# Altium PCB CL-HC-M-V2.1gerber.PcbDoc (part 1 of 16) (continued)
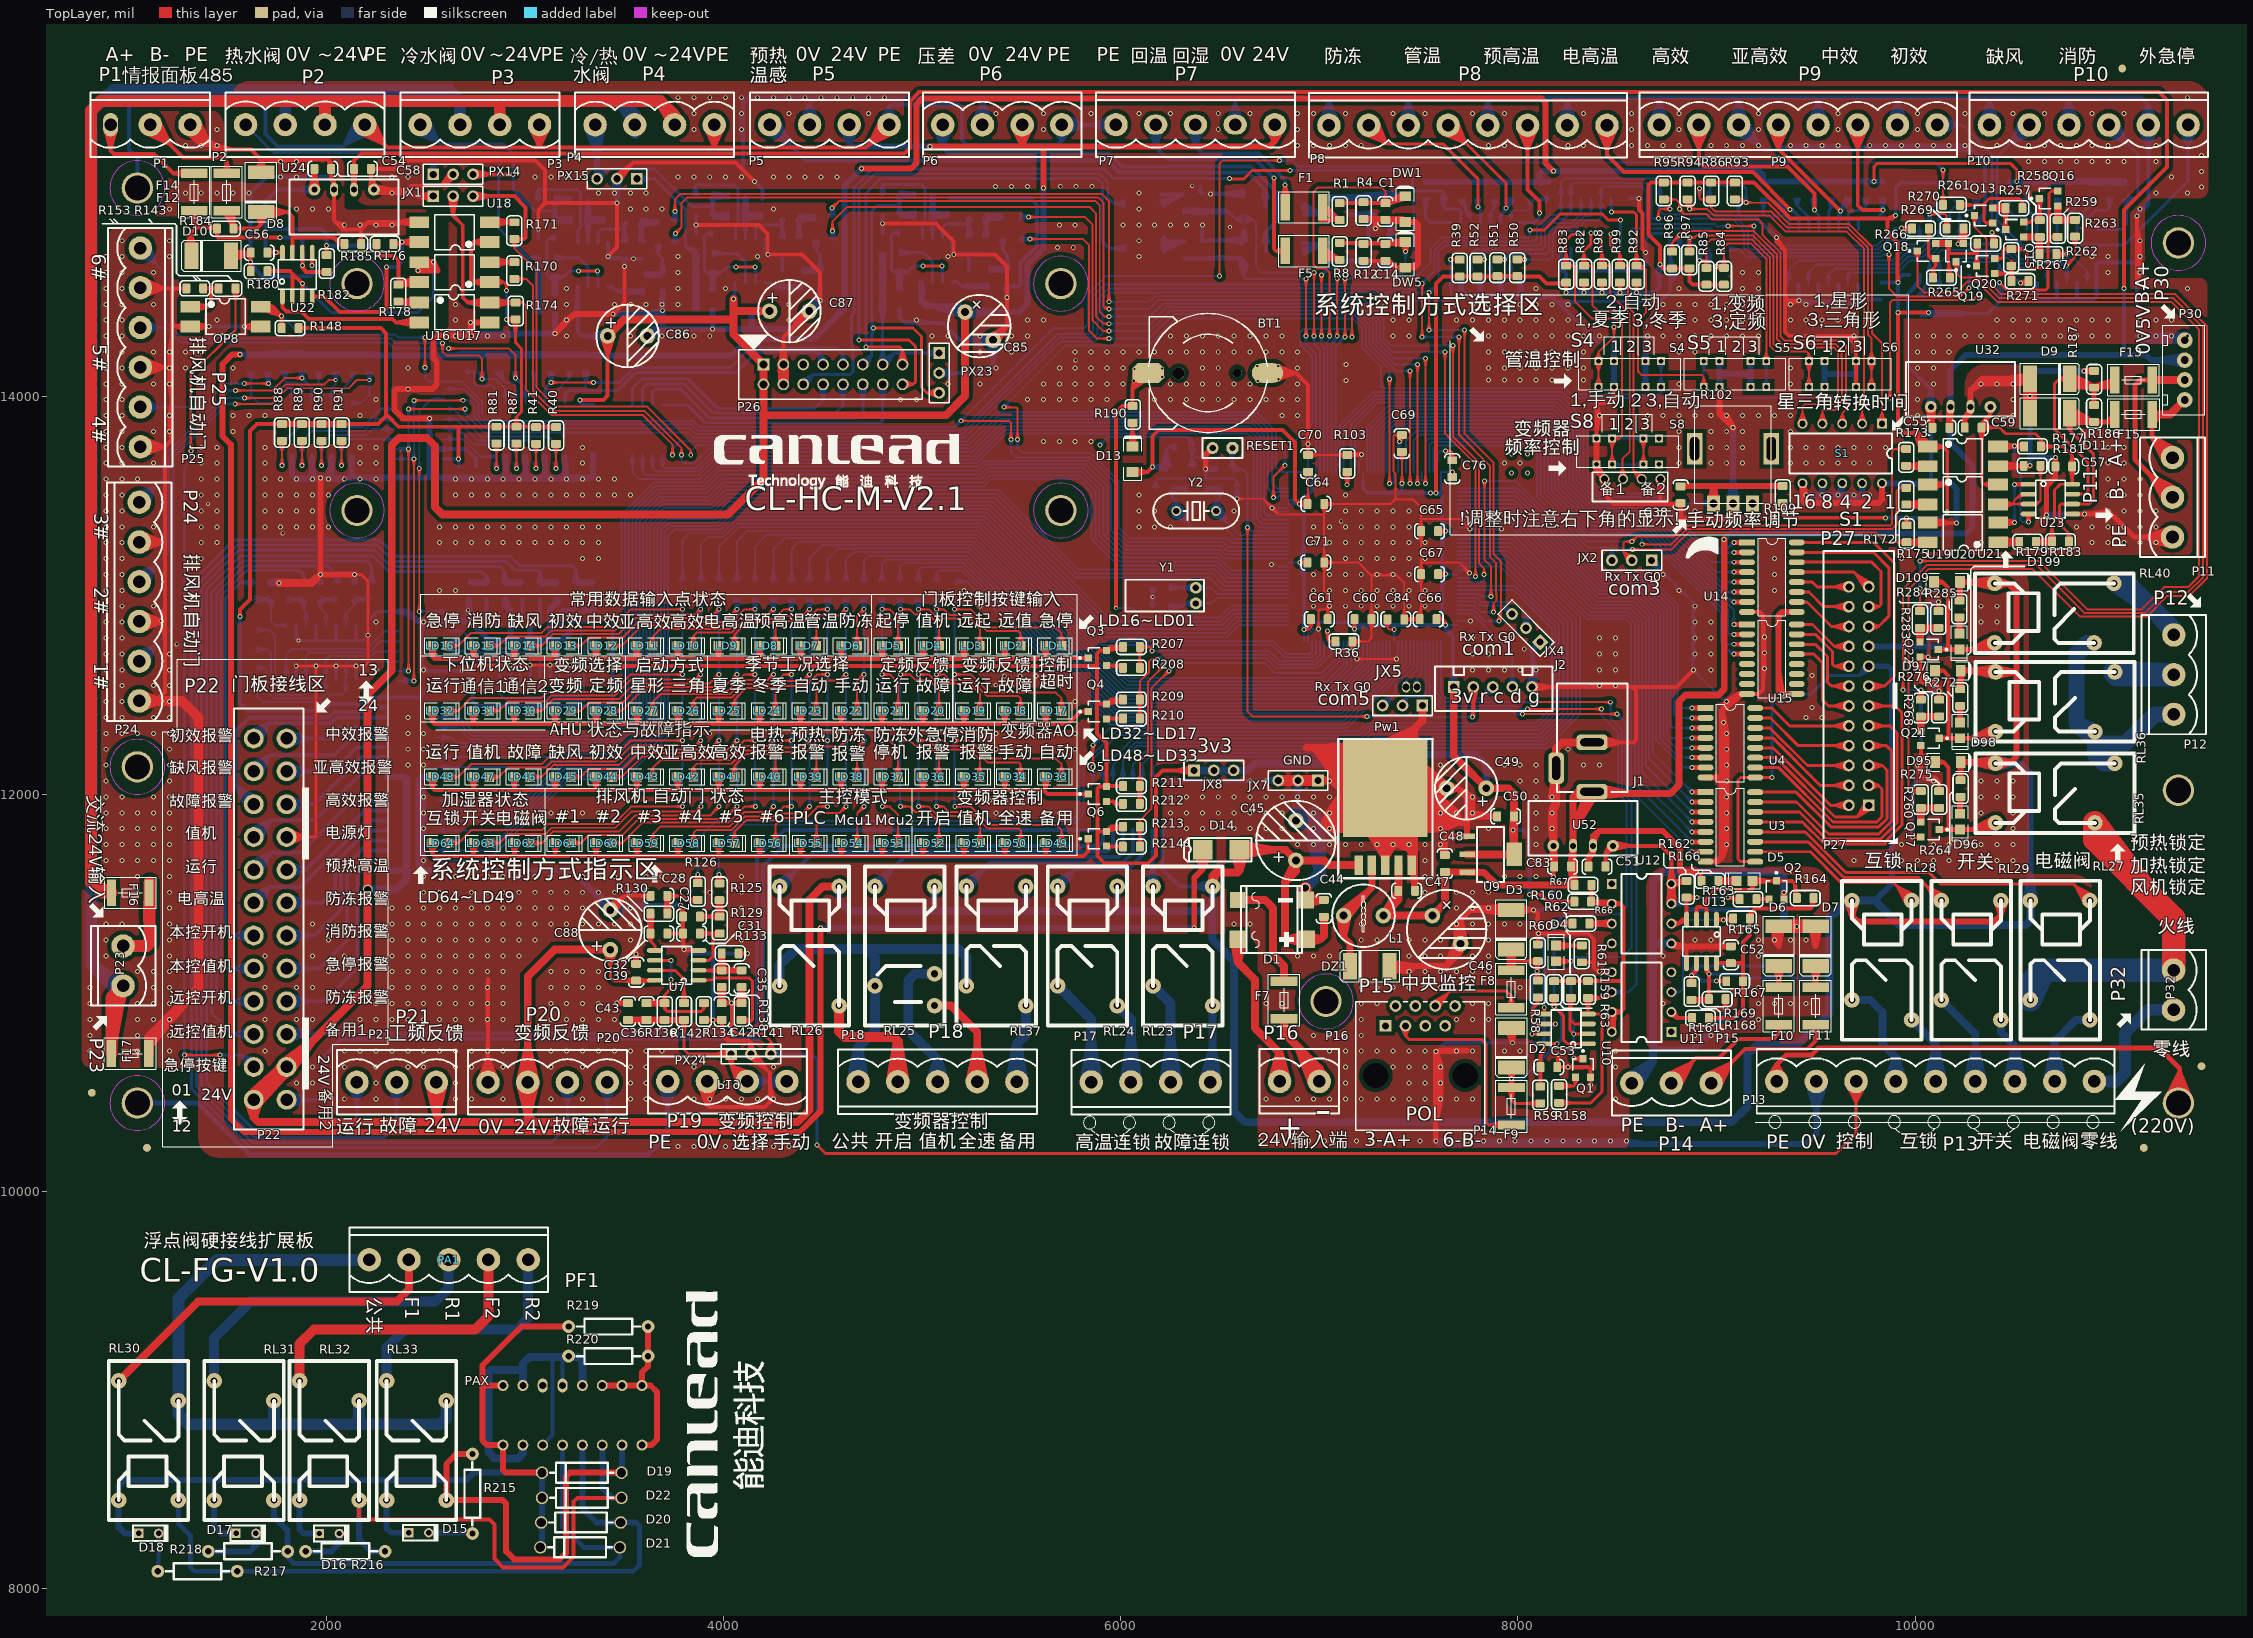
[diagram p0: TopLayer view]
## Components (designator, comment, footprint, x,y, rotation, side; value= is the part's Value field where it differs from the comment) (continued)
P9 "DI-2" PL8X 9410.72,15369.03 r0 top (schematic designator P5)
P10 "DI-1" PL6X 10873.71,15369.03 r0 top (schematic designator P9)
P11 "" PL3X#2 11295.27,13694.56 r270 top (schematic designator 485-2)
P12 "Header 3" PL3X#2 11302.26,12801.51 r270 top locked (schematic designator P25)
P13 "Header 9" PL9X 10102.22,10553.66 r0 top (schematic designator 加湿器1)
P14 "Header 4X2" RH45 7508.69,10758.66 r0 top
P15 "Header 3" PL3X#2 8572.38,10545.64 r0 top
P16 "power" PL2X 6899.97,10553.66 r0 top (schematic designator 24V)
P17 "硬接线" PL4X 6151.71,10550.41 r180 top (schematic designator 电柜内部1)
P18 "硬接线" PL5X#2 5077.86,10551.66 r180 top (schematic designator 变频1)
P19 "硬接线" PL4X 4019.56,10553.66 r0 top (schematic designator 变频2)
P20 "变频反馈" PL4X 3114.81,10549.2 r180 top (schematic designator 变频3)
P21 "工频反馈" PL3X#2 2154.81,10549.2 r0 top (schematic designator 电柜内部2)
P22 "硬接线" ATX_24PIN 1635.3,12280.18 r270 top (schematic designator 门控指示灯1)
P23 "硬接线" PL2X 977.49,11135.5 r90 top
P24 "自动门" PL6X 1058.64,12969.2 r90 top (schematic designator P14)
P25 "自动门" PL6X 1064.81,14249.2 r90 top (schematic designator P17)
P26 "Header 8X2" Con2*8-1mm 4201.86,14163.1 r0 top
P27 "Con2*12-1mm" FC24LX 9716.03,12493.88 r90 top
P30 "硬接线" C3-4 11356.69,14134.99 r90 top (schematic designator 220V)
P32 "硬接线" PL2X 11300.57,11014.37 r90 top
PA1 "情报面板与电柜输入" pl5x 2616.94,9655.49 r0 top (schematic designator 外?)
PAX "Header 8X2" centipede-16 3240.14,8872.79 r90 bottom (schematic designator P19)
Pw1 "LM2596-5V" LM2575 7331.74,11835.34 r0 top
PX14 "Header 3" HDR1X3 2539.14,15120.55 r0 top
PX15 "Header 3" HDR1X3 3564.16,15098.22 r180 top
PX23 "Header 3" HDR1X3 5086.21,14220.32 r270 top
PX24 "Header 3" HDR1X3 4038.92,10691.76 r0 top
Q1 "NPN" SOT23 8327.38,10621.06 r0 top
Q2 "NPN" SOT23 9301.04,11517.4 r0 top
Q3 "PNP" SOT23 5882.39,12685.45 r90 top
Q4 "PNP" SOT23 5882.39,12415.45 r90 top
Q5 "PNP" SOT23 5882.39,12000.45 r90 top
Q6 "PNP" SOT23 5882.39,11775.45 r90 top
Q13 "PNP" SOT23 10344.86,14912.6 r90 top (schematic designator Q15)
Q15 "PNP" SOT23 10501.2,14841.87 r90 top
Q16 "PNP" SOT23 10671.12,14998.51 r90 top
Q17 "NPN" SOT23 10074.39,11821.36 r270 top
Q18 "PNP" SOT23 10056.87,14734.56 r90 top
Q19 "PNP" SOT23 10205.39,14725.87 r180 top
Q20 "PNP" SOT23 10354.66,14659.43 r90 top
Q21 "NPN" SOT23 10074.39,12281.37 r270 top
Q22 "NPN" SOT23 10070.34,12727.82 r270 top
R1 "20.5K" 0805R#1 7102.76,14975.04 r270 top
R2 "20.5K" 0805R#1 6321.73,14697 r90 bottom
R3 "20.5K" 0805R#1 7053.81,15002.19 r270 bottom
R4 "10K" 0805R#1 7222.76,14895.04 r90 top
R5 "10K" 0805R#1 6410.11,14782 r270 bottom
R6 "10K" 0805R#1 7149.13,14917.19 r90 bottom
R7 "20.5K" 0805R#1 7028.04,14684.21 r90 bottom
R8 "20.5K" 0805R#1 7102.76,14775.04 r270 top
R9 "20.5K" 0805R#1 6313.23,14934.91 r90 bottom
R10 "10K" 0805R#1 10978.86,15083.5 r270 bottom
R11 "10K" 0805R#1 7138.04,14774.21 r270 bottom
R12 "10K" 0805R#1 7222.76,14685.04 r90 top
R13 "10K" 0805R#1 6401.61,15017.82 r270 bottom
R14 "10K" 0805R#1 11063.86,15083.5 r270 bottom
R15 "10K" 0805R#1 7535.63,15083.78 r270 bottom
R16 "10K" 0805R#1 3222.38,14213.36 r270 bottom
R17 "10K" 0805R#1 3047.38,14213.36 r270 bottom
R18 "10K" 0805R#1 10804.71,15083.5 r270 bottom
R19 "10K" 0805R#1 10893.86,15083.5 r270 bottom
R20 "10K" 0805R#1 10633.86,15083.5 r270 bottom
R21 "10K" 0805R#1 10718.86,15083.5 r270 bottom
R22 "10K" 0805R#1 10466.61,15080.04 r270 bottom
R23 "10K" 0805R#1 10549.71,15083.5 r270 bottom
R24 "10K" 0805R#1 9749.84,15083.5 r270 bottom
R25 "10K" 0805R#1 9834.84,15083.5 r270 bottom
R26 "10K" 0805R#1 9575.69,15083.5 r270 bottom
R27 "10K" 0805R#1 9664.84,15083.5 r270 bottom
R28 "10K" 0805R#1 9404.84,15083.5 r270 bottom
R29 "10K" 0805R#1 9489.84,15083.5 r270 bottom
R30 "10K" 0805R#1 9234.84,15083.5 r270 bottom
R31 "10K" 0805R#1 9320.69,15083.5 r270 bottom
R32 "10K" 0805R#1 8062.81,15080.95 r270 bottom
R33 "10K" 0805R#1 8152.81,15080.95 r270 bottom
R34 "10K" 0805R#1 7882.81,15080.95 r270 bottom
R35 "10K" 0805R#1 7972.81,15080.95 r270 bottom
R36 "0R" 0805R#1 7166.44,12768.25 r180 top
R37 "10K" 0805R#1 7712.81,15080.95 r270 bottom
R38 "10K" 0805R#1 7797.81,15080.95 r270 bottom
R39 "10K" 0805R#1 7706.97,14690.85 r270 top
R40 "10K" 0805R#1 3157.38,13762.95 r90 top
R41 "10K" 0805R#1 3057.38,13762.95 r90 top
R42 "10K" 0805R#1 10021.99,14504.06 r270 bottom
R43 "10K" 0805R#1 10110.9,14504.55 r270 bottom
R44 "10K" 0805R#1 10198.82,14504.06 r270 bottom
R45 "10K" 0805R#1 10426.02,14626.55 r270 bottom
R46 "10K" 0805R#1 10306.61,14995.04 r90 bottom
R47 "10K" 0805R#1 10211.61,14995.04 r90 bottom
R48 "10K" 0805R#1 10111.61,14995.04 r90 bottom
R49 "10K" 0805R#1 10016.61,14995.04 r90 bottom
R50 "10K" 0805R#1 7996.53,14692.61 r270 top
R51 "10K" 0805R#1 7896.53,14692.61 r270 top
R52 "10K" 0805R#1 7796.53,14691.5 r270 top
R53 "10K" 0805R#1 2697.38,14213.36 r270 bottom
R54 "10K" 0805R#1 2782.38,14213.36 r270 bottom
R55 "10K" 0805R#1 2867.38,14213.36 r270 bottom
R56 "10K" 0805R#1 2957.38,14213.36 r270 bottom
R57 "10K" 0805R#1 1622.38,14213.36 r270 bottom
R58 "10K?" 0805R#1 8099.85,11061.48 r270 top
R59 "3K" 0805R#1 8112.38,10528.36 r270 top
R60 "3K" 0805R#1 8099.85,11243.83 r270 top
R61 "1K" 0805R#1 8321.76,11238.69 r270 top
R62 "1K" 0805R#1 8267.38,11058.36 r270 top
R63 "3K" 0805R#1 8182.38,11058.15 r270 top
R64 "10K" 0805R#1 1707.38,14213.36 r270 bottom
R65 "10K" 0805R#1 1792.38,14214.57 r270 bottom
R66 "0R" 0805R#2 8326.08,11459.06 r0 top
R67 "0R" 0805R#2 8328.05,11542.58 r0 top
R68 "10K" 0805R#1 3257.76,13065.04 r270 bottom
R69 "10K" 0805R#1 3077.76,13065.04 r270 bottom
R70 "10K" 0805R#1 2987.76,13065.04 r270 bottom
R71 "10K" 0805R#1 2807.76,13065.04 r270 bottom
R72 "10K" 0805R#1 1877.38,14214.57 r270 bottom
R73 "10K" 0805R#1 1962.38,14213.36 r270 bottom
R74 "10K" 0805R#1 2047.38,14213.36 r270 bottom
R75 "10K" 0805R#1 3355.43,12864.42 r0 bottom
R76 "10K" 0805R#1 3355.43,12771.07 r0 bottom
R77 "10K" 0805R#1 3355.43,12677.73 r0 bottom
R78 "10K" 0805R#1 3355.43,12584.39 r0 bottom
R79 "10K" 0805R#1 2132.38,14213.36 r270 bottom
R80 "10K" 0805R#1 2217.38,14213.36 r270 bottom
R81 "10K" 0805R#1 2857.38,13764.63 r90 top (schematic designator R24)
R82 "10K" 0805R#1 8332.76,14660.04 r270 top
R83 "10K" 0805R#1 8242.76,14575.04 r90 top
R84 "10K" 0805R#1 9037.16,14564.72 r90 top
R85 "10K" 0805R#1 8949.03,14564.72 r90 top
R86 "10K" 0805R#1 8972.9,15079.42 r270 top
R87 "10K" 0805R#1 2957.38,13764.63 r90 top
R88 "10K" 0805R#1 1777.76,13778.36 r90 top
R89 "10K" 0805R#1 1877.38,13778.36 r90 top
R90 "10K" 0805R#1 1977.38,13778.36 r90 top
R91 "10K" 0805R#1 2077.38,13778.36 r90 top
R92 "10K" 0805R#1 8597.76,14575.04 r90 top
R93 "10K" 0805R#1 9092.15,14994.52 r90 top
R94 "10K" 0805R#1 8853.64,14994.52 r90 top
R95 "10K" 0805R#1 8734.38,14994.52 r90 top
R96 "10K" 0805R#1 8775.9,14732.19 r270 top
R97 "10K" 0805R#1 8862.78,14732.19 r270 top
R98 "10K" 0805R#1 8422.76,14575.04 r90 top
R99 "10K" 0805R#1 8512.76,14575.04 r90 top
R100 "104" 0805R#1 3755.56,14878.96 r180 bottom
R101 "104" 0805R#1 3757.13,14769.55 r180 bottom
R102 "10K可调" RES_ADJ 9082.56,13463.49 r0 top
R103 "0R" 0805R#1 7140.49,13707.58 r270 top
R104 "104" 0805R#1 4547.57,14901.22 r180 bottom
R105 "104" 0805R#1 4550.54,14790.41 r180 bottom
R106 "104" 0805R#1 3587.74,14880.36 r180 bottom
R107 "104" 0805R#1 3602.74,14616.21 r270 bottom
R108 "104" 0805R#1 4381.15,14901.22 r180 bottom
R109 "10K" 0805R#1 9332.63,13466.17 r90 top
R110 "104" 0805R#1 4396.15,14637.07 r270 bottom
R111 "103" 0805R#1 3402.74,14975.36 r270 bottom
R112 "103" 0805R#1 3067.74,14800.36 r0 bottom
R113 "103" 0805R#1 4196.15,14996.22 r270 bottom
R114 "103" 0805R#1 3861.15,14821.22 r0 bottom
R115 "20.5K" 0805R#1 3152.74,14603.1 r180 bottom
R116 "20.5K" 0805R#1 3946.15,14623.96 r180 bottom
R117 "20.5K" 0805R#1 3317.74,14890.36 r180 bottom
R118 "20.5K" 0805R#1 4111.15,14911.22 r180 bottom
R119 "100" 0805R#1 3067.74,14990.36 r0 bottom
R120 "100" 0805R#1 3152.74,14700.17 r180 bottom
R121 "100" 0805R#1 3861.15,15011.22 r0 bottom
R122 "100" 0805R#1 3946.15,14721.03 r180 bottom
R123 "104" 0805R#1 5488.28,14905.93 r180 bottom
R124 "104" 0805R#1 5491.25,14795.12 r180 bottom
R125 "104" 0805R#1 3980.25,11550.95 r270 top
R126 "104" 0805R#1 3870.84,11552.52 r270 top
R127 "104" 0805R#1 5321.86,14905.93 r180 bottom
R128 "104" 0805R#1 5336.86,14641.78 r270 bottom
R129 "104" 0805R#1 3981.65,11383.14 r270 top
R130 "104" 0805R#1 3717.5,11398.14 r180 top
R131 "103" 0805R#1 5136.86,15000.93 r270 bottom
R132 "103" 0805R#1 4801.86,14825.93 r0 bottom
R133 "103" 0805R#1 4076.65,11198.14 r180 top
R134 "103" 0805R#1 3901.65,10863.14 r90 top
R135 "20.5K" 0805R#1 4886.86,14628.67 r180 bottom
R136 "20.5K" 0805R#1 3704.39,10948.14 r270 top
R137 "20.5K" 0805R#1 5051.86,14915.93 r180 bottom
R138 "20.5K" 0805R#1 3991.65,11113.14 r270 top
R139 "100" 0805R#1 4801.86,15015.93 r0 bottom
R140 "100" 0805R#1 4886.86,14725.74 r180 bottom
R141 "100" 0805R#1 4091.65,10863.14 r90 top
R142 "100" 0805R#1 3801.46,10948.14 r270 top
R143 "10K" 0805R#1 1543.68,14545.33 r180 top
R144 "10K" 0805R#1 1636.89,13065.24 r270 bottom
R145 "10K" 0805R#1 1886.89,13065.36 r270 bottom
R146 "10K" 0805R#1 2056.89,13066.36 r270 bottom
R147 "10K" 0805R#1 2227.76,13065.04 r270 bottom
R148 "10K" 0805R#1 1776.13,14346.15 r0 top
R149 "10K" 0805R#1 1648.79,12826.25 r180 bottom
R150 "10K" 0805R#1 1647.86,12729.49 r180 bottom
R151 "10K" 0805R#1 1648.79,12634.75 r180 bottom
R152 "10K" 0805R#1 1650.88,12557.34 r180 bottom
R153 "10K" 0805R#1 1381.07,14546.26 r180 top
R154 "10K" 0805R#1 1721.89,12980.24 r90 bottom
R155 "10K" 0805R#1 1799.26,12980.36 r90 bottom
R156 "10K" 0805R#1 1970.39,12980.36 r90 bottom
R157 "10K" 0805R#1 2142.5,12980.24 r90 bottom
R158 "30K" 0805R#1 8206.95,10446.03 r90 top
R159 "3K" 0805R#1 8352.38,11058.36 r270 top
R160 "1K" 0805R#1 8359.67,11348.36 r180 top
R161 "1K" 0805R#1 8960.76,10872.99 r180 top
R162 "3K" 0805R#1 8849.03,11563.66 r270 top
R163 "30K" 0805R#1 9201.04,11471.14 r180 top
R164 "3K" 0805R#1 9488.75,11476.82 r180 top
R165 "3K" 0805R#1 9082.38,11373.66 r0 top
R166 "1K" 0805R#1 9008.65,11563.66 r180 top
R167 "3K" 0805R#1 9133.56,11058.15 r180 top
R168 "10K?" 0805R#1 8874.29,10963.36 r90 top
R169 "3K" 0805R#1 9045.76,10968.36 r180 top
R170 "1K" 0805R#1 2947.38,14678.36 r270 top
R171 "1K" 0805R#1 2947.38,14879.27 r270 top
R172 "1K" 0805R#1 9954.79,13457.31 r90 top
R173 "1K" 0805R#1 9954.44,13653.1 r90 top
R174 "1K" 0805R#1 2954.07,14389.76 r90 top
R175 "1K" 0805R#1 9957.13,13353.69 r270 top
R176 "1K" 0805R#1 2253.82,14769.93 r0 top
R177 "1K" 0805R#1 10632.67,13750.76 r180 top
R178 "1K" 0805R#1 2363.32,14480.18 r90 top
R179 "1K" 0805R#1 10523.81,13270.23 r0 top
R180 "30K" 0805R#1 1620.38,14632.63 r0 top
R181 "30K" 0805R#1 10546.43,13653.06 r0 top
R182 "3K" 0805R#1 2002.4,14629.18 r90 top
R183 "3K" 0805R#1 10774.2,13272.25 r180 top
R184 "10K?" 0805R#1 1534.6,14846.7 r180 top
R185 "3K" 0805R#1 2176.49,14769.93 r180 top
R186 "10K?" 0805R#1 10900.45,13958.72 r270 top
R187 "3K" 0805R#1 10900.45,14130.98 r270 top
R188 "1M" 0805R#1 6424.88,13538.37 r180 bottom
R189 "10K" 0805R#1 6275.43,13748.37 r0 bottom
R190 "10K" 0805R#1 6060.46,13869.25 r90 top
R191 "1K" 0805R#1 5163.5,13071.09 r270 bottom
R192 "1K" 0805R#1 5072.28,13071.09 r270 bottom
R193 "1K" 0805R#1 4981.05,13071.09 r270 bottom
R194 "1K" 0805R#1 4889.82,13071.09 r270 bottom
R195 "1K" 0805R#1 4798.6,13071.09 r270 bottom
R196 "1K" 0805R#1 4707.37,13071.09 r270 bottom
R197 "1K" 0805R#1 4616.14,13071.09 r270 bottom
R198 "1K" 0805R#1 4524.92,13071.09 r270 bottom
R199 "1K" 0805R#1 4433.69,13071.09 r270 bottom
R200 "1K" 0805R#1 4342.46,13071.09 r270 bottom
R201 "1K" 0805R#1 4251.24,13071.09 r270 bottom
R202 "1K" 0805R#1 4160.01,13071.09 r270 bottom
R203 "1K" 0805R#1 4068.79,13071.09 r270 bottom
R204 "1K" 0805R#1 3977.56,13071.09 r270 bottom
R205 "1K" 0805R#1 3886.33,13071.09 r270 bottom
R206 "1K" 0805R#1 3795.11,13071.09 r270 bottom
R207 "10K" 0805R#1 6011.13,12740.98 r0 top
R208 "3K" 0805R#1 6011.13,12635.98 r0 top
R209 "10K" 0805R#1 6011.13,12475.98 r0 top
R210 "3K" 0805R#1 6011.13,12380.98 r0 top
R211 "10K" 0805R#1 6011.13,12040.98 r0 top
R212 "3K" 0805R#1 6011.13,11950.98 r0 top
R213 "10K" 0805R#1 6011.13,11835.98 r0 top
R214 "3K" 0805R#1 6011.13,11735.98 r0 top
R215 "15K" AXIAL0.4 2736.02,8278.24 r90 top (schematic designator R174)
R216 "15K" AXIAL0.4 1896.91,8188.08 r0 top (schematic designator R173)
R217 "15K" AXIAL0.4 1406.91,8188.08 r0 top (schematic designator R172)
R218 "15K" AXIAL0.4 1152.9,8088.08 r0 top (schematic designator R169)
R219 "100K" AXIAL0.4 3620.03,9319.26 r180 top (schematic designator R173)
R220 "20K" AXIAL0.4 3620.03,9170.6 r180 top (schematic designator R173)
R249 "10K" 0805R#1 7625.17,15082.24 r270 bottom
R250 "10K" 0805R#1 3307.38,14213.36 r270 bottom
R251 "10K" 0805R#1 3132.38,14213.36 r270 bottom
R252 "10K" 0805R#1 3347.76,13065.04 r270 bottom
R253 "10K" 0805R#1 3167.76,13065.04 r270 bottom
R254 "10K" 0805R#1 2897.76,13065.04 r270 bottom
R255 "10K" 0805R#1 2717.76,13065.04 r270 bottom
R257 "10K" 0805R#1 10454.2,14950.21 r0 top
R258 "10K" 0805R#1 10627.16,14889.46 r270 top
R259 "10K" 0805R#1 10717.38,14805.35 r90 top
R260 "3K" 0805R#1 10028.13,11930.36 r90 top
R261 "3K" 0805R#1 10224.57,14966.99 r180 top
R262 "3K" 0805R#1 10625.95,14718.75 r0 top
R263 "3K" 0805R#1 10804.69,14891.55 r270 top
R264 "15K" 0805R#1 10228.39,12070.36 r270 top
R265 "10K" 0805R#1 10174.33,14599.72 r180 top
R266 "10K" 0805R#1 10312.37,14771.75 r0 top
R267 "10K" 0805R#1 10483.63,14744.07 r270 top
R268 "3K" 0805R#1 10028.13,12475.37 r270 top
R269 "3K" 0805R#1 10069.14,14847.28 r180 top
R270 "3K" 0805R#1 10243.53,14847.28 r180 top
R271 "3K" 0805R#1 10485.16,14583.11 r0 top
R272 "15K" 0805R#1 10226.39,12528.37 r270 top
R275 "3K" 0805R#1 10120.65,12015.36 r270 top (schematic designator R261)
R276 "3K" 0805R#1 10120.65,12475.37 r270 top (schematic designator R261)
R283 "3K" 0805R#1 10024.08,12921.82 r270 top
R284 "3K" 0805R#1 10116.6,12921.82 r270 top
R285 "15K" 0805R#1 10222.34,12974.82 r270 top
RESET1 "RESET" SIP2 6512.64,13742.64 r180 top
RL23 "->缺风故障" RELAY12V 6562.76,10935.04 r90 top
RL24 "->高温故障" RELAY12V 6082.76,10935.04 r90 top
RL25 "POL->变频值机" RELAY12V-5 5162.76,10935.04 r90 top
RL26 "POL->变频开启" RELAY12V 4682.76,10935.04 r90 top
RL27 "POL->加湿电磁阀" RELAY12V 10979.6,10863.92 r90 top
RL28 "POL->加湿互锁" RELAY12V 10081.53,10863.66 r90 top
RL29 "POL->加湿开关" RELAY12V 10531.53,10863.66 r90 top
RL30 "POL->运行监控" RELAY12V 855.66,9045.58 r270 top (schematic designator RL33)
RL31 "POL->值机监控" RELAY12V 1336.39,9045.58 r270 top (schematic designator RL32)
RL32 "POL->加湿电磁阀" RELAY12V 1766.06,9045.58 r270 top (schematic designator RL31)
RL33 "POL->加湿电磁阀" RELAY12V 2204.78,9045.58 r270 top (schematic designator RL30)
RL35 "风机锁定" RELAY12V 11004.37,12255 r180 top
RL36 "加热锁定" RELAY12V 11004.37,12715.01 r180 top
RL37 "POL->变频备用" RELAY12V 5622.76,10935.04 r90 top
RL40 "预热锁定" RELAY12V 11000.31,13161.46 r180 top
S1 "星三角时间" DIP10 9632.76,13715.04 r180 top
S4 "水温手动开关" SEL3-MIN 8562.76,14115.04 r0 top locked
S5 "定/变频" SEL3-MIN 9092.76,14115.04 r0 top locked
S6 "星三角选择" SEL3-MIN 9622.76,14115.04 r0 top locked
S8 "SW-SPDT" SEL3-MIN 8552.76,13725.04 r0 top locked
U1 "LM358" SOP-08 3342.74,14663.68 r0 bottom
U2 "165N" SO_16 2487.38,12745.5 r90 bottom
U3 "2003" SO_16 9069.27,11834.99 r270 top
U4 "2003" SO_16 9069.27,12258.43 r270 top
U5 "LM358" SOP-08 4136.15,14684.54 r0 bottom
U6 "LM358" SOP-08 5076.86,14689.25 r0 bottom
U7 "LM358" SOP-08 3764.97,11138.14 r90 top
U8 "2003" SO_16 2432.37,12261.08 r270 bottom
U9 "LT1117-3.3" AMS1117 7744.3,11696.59 r270 top
U10 "U485" SOP8 8242.38,10818.36 r90 top
U11 "6N137" DIP8 8772.38,10803.36 r180 top
U12 "6N137" DIP8 8472.38,11548.36 r0 top
U13 "U485" SOP8 8924.03,11258.36 r180 top
U14 "2003" SO_16 9278.63,13092.5 r270 top
U15 "2003" SO_16 9278.63,12679.54 r270 top
U16 "EL817" EL-817 2468.96,14474.76 r0 top
U17 "EL817" EL-817 2823.29,14577.96 r180 top
U18 "EL817" EL-817 2823.29,14779.56 r180 top
U19 "EL817" EL-817 10416.97,13268.09 r180 top
U20 "EL817" EL-817 10062.37,13558.29 r0 top
U21 "EL817" EL-817 10062.37,13750.26 r0 top
U22 "U485" SOP8 1854.78,14615.9 r0 top
U23 "U485" SOP8 10680.81,13485.1 r270 top
U24 "DCDC05" VScore 2240.37,15043.36 r180 top
U25 "2003" SO_16 2432.37,11791.61 r270 bottom
U26 "2003" SO_16 3517.74,13835.04 r180 bottom
U27 "2003" SO_16 6035.95,11943.83 r0 bottom
U28 "165N" SO_16 2467.69,13863.36 r90 bottom
U29 "165N" SO_16 8392.38,14873.36 r0 bottom
U30 "165N" SO_16 8889.38,14869.42 r0 bottom
U31 "165N" SO_16 10146.61,14738.63 r0 bottom
U32 "DCDC05" VScore 10078.34,13950.07 r0 top
U33 "STM32F103ZET6" LQFP144 6841.28,12850.93 r0 bottom
U52 "DCDC05" VScore 8177.95,11739.99 r0 top
Y1 "32.768K" XTAL4 6378.31,13039.29 r270 top
Y2 "8M" XAL2 6280.43,13425.53 r0 top

## Footprints (in the part's own frame and the unit in brackets; to place one, negate y for a bottom-side part, rotate by r counter-clockwise, add the part's x,y. Pads: shape width x height; smd on the part's side, far side on the other; paste and mask are expansions set on the pad)
0805_B [mil]
  rect 50x50 smd: A(0,0) K(80,0)
  silkscreen extent -40,-40 135,40
0805R#1 [mil]
  rrect30% 40x50 smd: 1(0,0) 2(85,0)
  silkscreen extent -32,-38 117,38, body extent 3,-25 82,25, height 30
0805R#2 [mil]
  rrect30% 40x50 smd: 1(-42.5,0) 2(42.5,0)
  silkscreen extent -75,-38 75,38, body extent -39,-25 40,25, height 30
1206AK [mil]
  rect 50x60 smd: A(-65,0) K(65,0)
  silkscreen extent -105,-45 118,45
1206AK1 [mil]
  rect 50x60 smd: 1(-65,0) 2(65,0)
  silkscreen extent -105,-45 118,45
AMS1117 [mm]
  rect 0.7x2 smd: 1(-2.3,0) 2(0,0) 3(2.3,0)
  rect 3x2 smd: 2(0,6)
  silkscreen extent -3.5,1.23 3.5,4.73, body extent -3.25,-0.48 3.25,6.48, height 1.7
ATX_24PIN [mm]
  round 2.54 hole 1.6: 1(0,0) 2(0,4.2) 3(4.2,0) 4(4.2,4.2) 5(8.4,0) 6(8.4,4.2) 7(12.6,0) 8(12.6,4.2) 9(16.8,0) 10(16.8,4.2) 11(21,0) 12(21,4.2) 13(25.2,0) 14(25.2,4.2) 15(29.4,0) 16(29.4,4.2) 17(33.6,0) 18(33.6,4.2) 19(37.8,0) 20(37.8,4.2) 21(42,0) 22(42,4.2) 23(46.2,0) 24(46.2,4.2)
  silkscreen extent -3.82,-2.51 50.01,7.1
AXIAL0.4 [mil]
  round 65 hole 32: 1(-0.53,-0.37) 2(399.47,-0.37)
  silkscreen extent 39,-40 359,40, body extent -12,-45 412,46, height 116
BAT [mm]
  oct 2.5x4 smd: 1(0,0)
  oval 2.5x4 smd: 2(0,-15.24)
  round 1.5 hole 1.5: ""(-0.025,-3.87)
  round 1.1 hole 1.1: ""(0,-11.37)
  silkscreen extent -7.62,-15.19 7.62,-0.05
Brg [mm]
  rect 2x2 smd: 1(-4.375,2.5)
  rect 2.2x2.2 smd: 2(-4.375,-2.5) 3(4.375,-2.5) 4(4.225,2.5)
  silkscreen extent -4,-4.3 3.8,4.3, body extent -3.27,-4.3 3.8,4.3, height 7
C3-4 [mm]
  round 2 hole 1: 1(-3.81,0) 2(-1.27,0) 3(1.27,0) 4(3.81,0)
  silkscreen extent -5.71,-2.54 5.71,2.79, body extent -5.79,-2.62 5.79,2.87, height 10
C0805 [mil]
  rrect30% 40x50 smd: 1(-42.5,0) 2(42.5,0)
  silkscreen extent -75,-38 75,38, body extent -39,-25 39,25, height 30
c0805 [mil]
  rrect30% 40x50 smd: 1(-42.5,0) 2(42.5,0)
  silkscreen extent -75,-38 75,38, body extent -39,-25 39,25, height 30
C0805C [mil]
  rrect30% 40x50 smd: 1(-42.5,0) 2(42.5,0)
  silkscreen extent -75,-38 75,38, body extent -39,-25 39,25, height 30
centipede-16 [mil]
  round 55 hole 36: 1(150,-350) 2(-150,-350) 3(150,-250) 4(-150,-250) 6(-150,-150) 8(-150,-50) 9(150,50) 10(-150,50) 11(150,150) 12(-150,150) 13(150,250) 14(-150,250) 15(150,350) 16(-150,350)
  oval 70x50 hole 36: 5(150,-150) 7(150,-50)
Con2*8-1mm [mm]
  rect 1.5x1.5 hole 1: 1(0,0)
  round 1.5 hole 1: 2(0,-2.54) 3(2.54,0) 4(2.54,-2.54) 5(5.08,0) 6(5.08,-2.54) 7(7.62,0) 8(7.62,-2.54) 9(10.16,0) 10(10.16,-2.54) 11(12.7,0) 12(12.7,-2.54) 13(15.24,0) 14(15.24,-2.54) 15(17.78,0) 16(17.78,-2.54)
  silkscreen extent -3.17,-4.45 20.32,3.81
CZ5-2.54 [mm]
  rect 1.5x1.5 hole 0.9: 1(0,0)
  round 1.5 hole 0.9: 2(2.5,0) 3(5,0) 4(7.5,0) 5(10,0)
  silkscreen extent -2.4,-3.1 12.6,2.6, body extent -2.51,-3.39 12.52,2.36, height 7
DC-005A [mm]
  rrect50% 4x2 hole 1 slot 3 at 0 deg: 1(4.5,13.8) 2(4.5,7.5)
  rrect50% 2x4 hole 1 slot 3 at 90 deg: 3(9.1,10.8)
  silkscreen extent 0,0 9,13.84, body extent 0,0.02 9.5,13.84, height 11.02
DIODEAK [mm]
  round 1.6 / inner round 1.6 / far side round 2 hole 1.2: A(-5.08,0) K(5.08,0)
  silkscreen extent -4.06,-1.27 4.06,1.27, body extent -5.53,-1.3 5.53,1.3, height 3.3
DIP8 [mil]
  rect 50x50 hole 32: 1(0,0)
  round 50 hole 32: 2(0,-100) 3(0,-200) 4(0,-300) 5(300,-300) 6(300,-200) 7(300,-100) 8(300,0)
  silkscreen extent 50,-350 250,50, body extent -5,-364 305,66, height 188
DIP10 [mil]
  rect 50x50 hole 32: 1(-200,-150)
  round 50 hole 32: 2(-100,-150) 3(0,-150) 4(100,-150) 5(200,-150) 6(200,150) 7(100,150) 8(0,150) 9(-100,150) 10(-200,150)
  silkscreen extent -250,-100 267,100
E8MM [mm]
  round 2 hole 1: 1(-2.54,0) 2(2.54,0)
  silkscreen extent -4,-4 4,4, body extent -4.01,-4.04 4.01,3.99, height 7
E10MM-13 [mm]
  round 2 hole 1: 1(-2.54,0) 2(2.54,0)
  silkscreen extent -5.08,-5.08 5.08,5.08, body extent -5.09,-5.09 5.09,5.09, height 13
EL-817 [mm]
  rect 2.5x1.5 smd: 1(0,0) 2(0,-2.54) 3(9,-2.54) 4(9,0)
  silkscreen extent 2,-3.5 7,1, body extent -0.52,-3.57 9.64,1.03, height 3.75
FC24LX [mm]
  rect 1.5x1.5 hole 0.9: 1(-13.97,-1.27)
  round 1.5 hole 0.9: 2(-13.97,1.27) 3(-11.43,-1.27) 4(-11.43,1.27) 5(-8.89,-1.27) 6(-8.89,1.27) 7(-6.35,-1.27) 8(-6.35,1.27) 9(-3.81,-1.27) 10(-3.81,1.27) 11(-1.27,-1.27) 12(-1.27,1.27) 13(1.27,-1.27) 14(1.27,1.27) 15(3.81,-1.27) 16(3.81,1.27) 17(6.35,-1.27) 18(6.35,1.27) 19(8.89,-1.27) 20(8.89,1.27) 21(11.43,-1.27) 22(11.43,1.27) 23(13.97,-1.27) 24(13.97,1.27)
  silkscreen extent -18.9,-5.01 18.54,4.5
HDR1X3 [mm] "Connector; Header; 3 Position"
  rect 1.5x1.5 hole 0.9: 1(0,0)
  round 1.5 hole 0.9: 2(2.54,0) 3(5.08,0)
  silkscreen extent -1.27,-1.27 6.35,1.27
L8MM [mm]
  round 2 hole 1: 1(-2.54,0) 2(2.54,0)
  silkscreen extent -4,-4 4,4, body extent -4.01,-4.04 4.01,3.99, height 7
LM2575 [mm] "Power Scource"
  rect 1.07x2.5 smd: 1(-3.4,-4.889) 2(-1.7,-4.89) 3(0,-4.89) 4(1.7,-4.89) 5(3.4,-4.889)
  rect 10.8x12.41 smd: 3(0,4.89)
  silkscreen extent -5.99,-6.57 6.07,11.24
LQFP144 [mil]
  rect 70x9.5 smd: 1(0,0)
  oval 70x9.5 smd: 2(0,-19.69) 3(0,-39.37) 4(0,-59.06) 5(0,-78.74) 6(0,-98.43) 7(0,-118.11) 8(0,-137.8) 9(0,-157.48) 10(0,-177.17) 11(0,-196.85) 12(0,-216.54) 13(0,-236.22) 14(0,-255.91) 15(0,-275.59) 16(0,-295.28) 17(0,-314.96) 18(0,-334.65) 19(0,-354.33) 20(0,-374.02) 21(0,-393.7) 22(0,-413.39) 23(0,-433.07) 24(0,-452.76) 25(0,-472.44) 26(0,-492.13) 27(0,-511.81) 28(0,-531.5) 29(0,-551.18) 30(0,-570.87) 31(0,-590.55) 32(0,-610.24) 33(0,-629.92) 34(0,-649.61) 35(0,-669.29) 36(0,-688.98) 73(854.33,-688.98) 74(854.33,-669.29) 75(854.33,-649.61) 76(854.33,-629.92) 77(854.33,-610.24) 78(854.33,-590.55) 79(854.33,-570.87) 80(854.33,-551.18) 81(854.33,-531.5) 82(854.33,-511.81) 83(854.33,-492.13) 84(854.33,-472.44) 85(854.33,-452.76) 86(854.33,-433.07) 87(854.33,-413.39) 88(854.33,-393.7) 89(854.33,-374.02) 90(854.33,-354.33) 91(854.33,-334.65) 92(854.33,-314.96) 93(854.33,-295.28) 94(854.33,-275.59) 95(854.33,-255.91) 96(854.33,-236.22) 97(854.33,-216.54) 98(854.33,-196.85) 99(854.33,-177.17) 100(854.33,-157.48) 101(854.33,-137.8) 102(854.33,-118.11) 103(854.33,-98.43) 104(854.33,-78.74) 105(854.33,-59.06) 106(854.33,-39.37) 107(854.33,-19.69) 108(854.33,0)
  oval 9.5x70 smd: 37(82.68,-771.65) 38(102.36,-771.65) 39(122.05,-771.65) 40(141.73,-771.65) 41(161.42,-771.65) 42(181.1,-771.65) 43(200.79,-771.65) 44(220.47,-771.65) 45(240.16,-771.65) 46(259.84,-771.65) 47(279.53,-771.65) 48(299.21,-771.65) 49(318.9,-771.65) 50(338.58,-771.65) 51(358.27,-771.65) 52(377.95,-771.65) 53(397.64,-771.65) 54(417.32,-771.65) 55(437.01,-771.65) 56(456.69,-771.65) 57(476.38,-771.65) 58(496.06,-771.65) 59(515.75,-771.65) 60(535.43,-771.65) 61(555.12,-771.65) 62(574.8,-771.65) 63(594.49,-771.65) 64(614.17,-771.65) 65(633.86,-771.65) 66(653.54,-771.65) 67(673.23,-771.65) 68(692.91,-771.65) 69(712.6,-771.65) 70(732.28,-771.65) 71(751.97,-771.65) 72(771.65,-771.65) 109(771.65,82.68) 110(751.97,82.68) 111(732.28,82.68) 112(712.6,82.68) 113(692.91,82.68) 114(673.23,82.68) 115(653.54,82.68) 116(633.86,82.68) 117(614.17,82.68) 118(594.49,82.68) 119(574.8,82.68) 120(555.12,82.68) 121(535.43,82.68) 122(515.75,82.68) 123(496.06,82.68) 124(476.38,82.68) 125(456.69,82.68) 126(437.01,82.68) 127(417.32,82.68) 128(397.64,82.68) 129(377.95,82.68) 130(358.27,82.68) 131(338.58,82.68) 132(318.9,82.68) 133(299.21,82.68) 134(279.53,82.68) 135(259.84,82.68) 136(240.16,82.68) 137(220.47,82.68) 138(200.79,82.68) 139(181.1,82.68) 140(161.42,82.68) 141(141.73,82.68) 142(122.05,82.68) 143(102.36,82.68) 144(82.68,82.68)
  silkscreen extent -65,-709 792,72
M7AK [mil]
  rect 100x100 smd: A(0,0) K(185,0)
  silkscreen extent -60,-60 280,60
PL2X [mm]
  round 3 hole 1.6: 1(-2.54,0) 2(2.54,0)
  silkscreen extent -5.08,-4.13 5.08,4.13
PL3X#1 [mm]
  oval 1.905x3 hole 1.6: 1(0,0)
  round 3 hole 1.6: 2(5.08,0) 3(10.16,0)
  silkscreen extent -2.54,-4.13 12.7,4.13
PL3X#2 [mm]
  round 3 hole 1.6: 1(0,0) 2(5.08,0) 3(10.16,0)
  silkscreen extent -2.54,-4.13 12.7,4.13
PL4X [mm]
  round 3 hole 1.6: 1(-7.62,0) 2(-2.54,0) 3(2.54,0) 4(7.62,0)
  silkscreen extent -10.16,-4.13 10.16,4.13
PL5X#1 [mm]
  round 3 hole 1.6: 1(-10.16,0) 5(10.16,0)
  oval 3x2.54 hole 1.6: 2(-5.08,0) 3(0,0) 4(5.08,0)
  silkscreen extent -12.7,-4.13 12.7,4.13
PL5X#2 [mm]
  round 3 hole 1.6: 1(-10.16,0) 2(-5.08,0) 3(0,0) 4(5.08,0) 5(10.16,0)
  silkscreen extent -12.7,-4.13 12.7,4.13
pl5x [mm]
  round 3 hole 1.6: 1(-10.16,0) 2(-5.08,0) 3(0,0) 4(5.08,0) 5(10.16,0)
  silkscreen extent -12.7,-4.13 12.7,4.13
PL6X [mm]
  round 3 hole 1.6: 1(-12.7,0) 2(-7.62,0) 3(-2.54,0) 4(2.54,0) 5(7.62,0) 6(12.7,0)
  silkscreen extent -15.24,-4.13 15.24,4.13
PL8X [mm]
  round 3 hole 1.6: 1(-17.78,0) 2(-12.7,0) 3(-7.62,0) 4(-2.54,0) 5(2.54,0) 6(7.62,0) 7(12.7,0) 8(17.78,0)
  silkscreen extent -20.32,-4.13 20.32,4.13
PL9X [mm]
  round 3 hole 1.6: 1(-20.32,0) 2(-15.24,0) 3(-10.16,0) 4(-5.08,0) 5(0,0) 6(5.08,0) 7(10.16,0) 8(15.24,0) 9(20.32,0)
  silkscreen extent -22.86,-4.13 22.86,4.13
PPTC_SMT [mm]
  rect 1.2x3.4 smd: 1(-2.4,0) 2(2.4,0)
  silkscreen extent -3.2,-2 3.2,2
RELAY12V [mm]
  round 2 hole 0.9: 1(15.24,2.54) 2(15.24,10.16) 3(0,2.54) 4(2.54,10.16)
  silkscreen extent -2.54,1.27 17.78,11.43
RELAY12V-5 [mm]
  round 2 hole 0.9: 1(15.24,2.54) 2(15.24,10.16) 3(2.54,10.16) 4(0,2.54) 5(4.08,2.54)
  silkscreen extent -2.54,1.27 17.78,11.43
RES_ADJ [mm]
  rect 2x4 hole 1.2 slot 3 at 90 deg: 0(-4.9,7) 0(4.9,7)
  rect 1.651x2.032 hole 1.016: 1(-2.5,0) 2(0,0) 3(2.5,0)
  silkscreen extent -4.9,0 4.9,12.5
RH45 [mm] "NetBar;Enlarged"
  rect 1.5x1.5 hole 0.9: 1(-4.445,1.905)
  round 1.5 hole 0.9: 2(-3.175,4.445) 3(-1.905,1.905) 4(-0.635,4.445) 5(0.635,1.905) 6(1.905,4.445) 7(3.175,1.905) 8(4.445,4.445)
  round 2.95 hole 3.25 unplated: MH1(-5.715,-4.445) MH2(5.715,-4.445)
  silkscreen extent -8.25,-11.43 8.26,5.01, body extent -7.75,-10.99 7.75,5, height 16.38
RT_LED1 [mm]
  rect 1.2x1.2 hole 0.7: A(1.27,0)
  round 1.2 hole 0.7: K(-1.27,0)
  silkscreen extent -2.54,-1.13 2.13,1.13, body extent -2.13,-1.13 2.13,1.13, height 6
SEL3-MIN [mm]
  rect 1x1 hole 0.6: 1(-4,-1.65) 1(-4,1.65) 2(-2,-1.65) 2(-2,1.65) 2(2,-1.65) 2(2,1.65) 3(4,-1.65) 3(4,1.65)
  silkscreen extent -6.5,-2 6.5,4.76
SIP2 [mil]
  oct 60x60 hole 32: 1(-50,0)
  round 60 hole 32: 2(50,0)
  silkscreen extent -100,-50 100,50
SMBJ_SMT [mil]
  rect 70x133.86 smd: A(-100,0) K(100,0)
  silkscreen extent -150,-79 149,79, body extent -91,-53 91,53, height 94
SO_16 [mil]
  rect 30x80 smd: 1(-175,-125)
  oval 30x80 smd: 2(-125,-125) 3(-75,-125) 4(-25,-125) 5(25,-125) 6(75,-125) 7(125,-125) 8(175,-125) 9(175,125) 10(125,125) 11(75,125) 12(25,125) 13(-25,125) 14(-75,125) 15(-125,125) 16(-175,125)
  silkscreen extent -195,-70 195,70, body extent -194,-115 192,113, height 69
SO_16L [mil]
  rect 30x90 smd: 1(-175,-135)
  oval 30x90 smd: 2(-125,-135) 3(-75,-135) 4(-25,-135) 5(25,-135) 6(75,-135) 7(125,-135) 8(175,-135) 9(175,135) 10(125,135) 11(75,135) 12(25,135) 13(-25,135) 14(-75,135) 15(-125,135) 16(-175,135)
  silkscreen extent -195,-70 195,70, body extent -194,-115 192,113, height 69
SOP8 [mil]
  oval 24x80 smd: 1(-75,-110) 2(-25,-110) 3(25,-110) 4(75,-110) 5(75,110) 6(25,110) 7(-25,110) 8(-75,110)
  silkscreen extent -95,-75 95,75, body extent -97,-118 96,118, height 61
SOP-08 [mil]
  oval 24x80 smd: 1(-75,-110) 2(-25,-110) 3(25,-110) 4(75,-110) 5(75,110) 6(25,110) 7(-25,110) 8(-75,110)
  silkscreen extent -95,-75 95,75, body extent -97,-118 96,118, height 61
SOT23 [mm]
  rect 0.9x0.95 smd: 1(0,1.175) 2(-0.95,-1.175) 3(0.95,-1.175)
  silkscreen extent -1.3,-0.3 1.3,2.32, body extent -1.45,-1.4 1.45,1.4, height 1.2
VScore [mil] "VScore"
  round 60 hole 30: 1(0,0) 4(300,0)
  oval 40x70 hole 30: 2(100,0) 3(200,0)
  silkscreen extent -125,-50 425,225
XAL2 [mil]
  round 50 / inner round 50 / far side round 78.74 hole 32: 1(0,0) 2(200,0)
  silkscreen extent -116,-89 316,89, body extent -123,-94 323,89, height 138
XTAL4 [mm]
  round 1.5 hole 0.8: 1(0,0) 2(2.007,0)
  silkscreen extent -1.02,-9.02 3.05,1.02

## Part data
BT1: "Battery"
C1 C2 C3 C13 C14 C15 C38: library part CAP, "Capac"
C4 C5 C6 C7 C8 C9 C10 C11 C12 C16 C17 C18 C19 C20 C21 C22 C23 C24 C25 C26 C27 C28 C29 C30 C31 C32 C33 C34 C35 C36 C37 C39 C40 C41 C42 C43 C44 C47 C48 C50 C51 C52 C53 C60 C61 C64 C65 C66 C67 C69 C70 C71 C72 C73 C74 C75 C76 C77 C78 C79 C80 C81 C82 C83 C84: library part CAP, "Capacitor"
C45 C49 C85 C86 C87 C88: library part ELECTRO1, "Electrolytic Capacitor"
C46: library part "Cap Pol1", "Polarized Capacitor (Radial)"
C54 C55 C56 C57 C58 C59: library part Cap, "Capacitor"
D1: library part Br
D2 D3 D6 D7 D8 D9 D10 D11 D12 D13 D14 D19 D20 D21 D22 D95 D97 D109 DW1 DW2 DW3 DW4 DW5 DW6: library part DIODE, "Diode"
D4 D5 D15 D16 D17 D18 D96 D98 D199 LD1 LD2 LD3 LD4 LD5 LD6 LD7 LD8 LD9 LD10 LD11 LD12 LD13 LD14 LD15 LD16 LD17 LD18 LD19 LD20 LD21 LD22 LD23 LD24 LD25 LD26 LD27 LD28 LD29 LD30 LD31 LD32 LD33 LD34 LD35 LD36 LD37 LD38 LD39 LD40 LD41 LD42 LD43 LD44 LD45 LD46 LD47 LD48 LD49 LD50 LD51 LD52 LD53 LD54 LD55 LD56 LD57 LD58 LD59 LD60 LD61 LD62 LD63 LD64: library part LED, "Zener Diode"
DZ1: library part ZENER3, "Zener Diode"
F1 F2 F3 F4 F5 F6: library part "Fuse 1"
F7 F8 F9 F10 F11 F12 F13 F14 F15 F16 F17: library part "Fuse 1", "Fuse"
J1 JX1 JX2 JX4 JX5 P12 P15 PX14 PX15 PX23 PX24: "Header, 3-Pin"
JX7 JX8: library part "Header 3", "Header, 3-Pin"
L1: library part INDUCTOR
P1 P11: library part "Header 3", "Header, 3"
P2 P3 P6: library part "Header 4"
P4 P5 P17: library part "Header 4", "H"
P7: library part "Header 5", "H"
P8 P9: library part "Header 8", "Header, 8"
P10 P24 P25: library part "Header 6", "Header, 6"
P13: "He"
P14: "Header, 4-Pin, Dual row"
P16: library part "Header 2", "Header, 2"
P18: library part "Header 5", "Heade"
P19 P20: library part "Header 4", "Heade"
P21: library part "Header 3", "H"
P22: library part "Header 12X2", "Header, 12"
P23 P32: library part "Header 2", "Header, 2-Pin"
P26: "Header, 8-Pin, Dual row"
P27: library part "Header 12X2", "Header, 12-Pin, Dual row"
P30: library part "Header 4", "Header, 4"
PA1: library part "Header 5", "Header, 5-Pin"
PAX: "Header, 8-Pin, Dual"
Pw1: library part LM2576
Q1 Q2 Q17 Q21 Q22: "NPN Bipolar Transistor"
Q3 Q4 Q5 Q6 Q13 Q15 Q16 Q18 Q19 Q20: "PNP Bipolar Transistor"
R1 R2 R3 R4 R5 R6 R7 R8 R9 R11 R12 R13 R109: library part res
R10 R14 R15 R16 R17 R18 R19 R20 R21 R22 R23 R24 R25 R26 R27 R28 R29 R30 R31 R32 R33 R34 R35 R36 R37 R38 R39 R40 R41 R42 R43 R44 R45 R46 R47 R48 R49 R50 R51 R52 R53 R54 R55 R56 R57 R58 R59 R60 R61 R62 R63 R64 R65 R66 R67 R68 R69 R70 R71 R72 R73 R74 R75 R76 R77 R78 R79 R80 R81 R82 R83 R84 R85 R86 R87 R88 R89 R90 R91 R92 R93 R94 R95 R96 R97 R98 R99 R100 R101 R103 R104 R105 R106 R107 R108 R110 R111 R112 R113 R114 R115 R116 R117 R118 R119 R120 R121 R122 R123 R124 R125 R126 R127 R128 R129 R130 R131 R132 R133 R134 R135 R136 R137 R138 R139 R140 R141 R142 R143 R144 R145 R146 R147 R148 R149 R150 R151 R152 R153 R154 R155 R156 R157 R158 R159 R160 R161 R162 R163 R164 R165 R166 R167 R168 R169 R170 R171 R172 R173 R174 R175 R176 R177 R178 R179 R180 R181 R182 R183 R184 R185 R186 R187 R188 R189 R190 R191 R192 R193 R194 R195 R196 R197 R198 R199 R200 R201 R202 R203 R204 R205 R206 R207 R208 R209 R210 R211 R212 R213 R214 R215 R216 R217 R218 R219 R220 R249 R250 R251 R252 R253 R254 R255 R257 R258 R259 R260 R261 R262 R263 R264 R265 R266 R267 R268 R269 R270 R271 R272 R275 R276 R283 R284 R285: library part RES2
RESET1: library part SW-PB
RL23 RL24 RL26 RL27 RL28 RL29 RL30 RL31 RL32 RL33 RL35 RL36 RL37 RL40: library part RELAY
RL25: library part H
S1: library part "SW DIP-5", "DIP Switch, 5 Position,"
S4 S5 S6: library part SW-SPDT, "SPDT Subminiature Toggle Switch, Right Angle Mounting, Vertical Actua"
S8: "SPDT Subminiature Toggle Switch, Right Angle Mounting, Vertical Actuation"
U2: library part DM74ALS165N, "8-Bit Parallel-In/Serial Out Shift Register"
U3 U4 U8 U25 U26 U27: library part ULN2003A, "High-Voltage, High-Current Darlington A"
U9: library part LT1117
U14 U15: library part ULN2003A, "High-Voltage, High-Current Darlington Array"
U24 U32 U52: library part VScoure
U28 U29 U30 U31: library part DM74ALS165N, "8-Bit Parallel-In/Serial Out Shift Regi"
Y1 Y2: library part CRYSTAL, "Crystal"

## Free pads (board coordinates)
  round 157.48 hole 125.98: 0(1049.3,10444.81) 0(1049.3,12137.73) 0(1049.3,15051.11) 0(2155.43,13428.12) 0(2155.43,14569.85) 0(5698.74,13428.12) 0(5698.74,14569.85) 0(7033.56,10956.63) 0(11324.89,10444.81) 0(11324.89,12019.62) 0(11324.89,14775.52)
  round 50 hole 36: 0(2209.06,11519.1) 1(6929.54,11528.21) 2(8435.27,13586.65) 3(8529.27,13586.65) 4(8623.27,13586.65) 5(8717.26,13586.65)
  oval 40x55 hole 36: 0(7437.02,12539.21) 0(7491.14,12539.21)
  round 39.37 smd far side: 1(820.33,10496.9) 1(1098.09,10219.15) 1(11042.68,15653.19) 1(11151.14,10219.15) 1(11441.3,10630.16)
  round 39.37 smd: 1(820.33,10496.9) 1(1098.09,10219.15) 1(11042.68,15653.19) 1(11151.14,10219.15) 1(11441.3,10630.16)
  round 86.61 on Top Solder: 2(820.33,10496.9) 2(1098.09,10219.15) 2(11042.68,15653.19) 2(11151.14,10219.15) 2(11441.3,10630.16)
  round 86.61 on Bottom Solder: 2(820.33,10496.9) 2(1098.09,10219.15) 2(11042.68,15653.19) 2(11151.14,10219.15) 2(11441.3,10630.16)
  round 120 on Top Solder: 2(6072.37,13106.69) 2(6144.83,13375.99)

## Via types
v1: diameter 25, hole 15, TopLayer to BottomLayer, tented both sides, 1813 vias
v2: diameter 20, hole 12, TopLayer to BottomLayer, tented both sides, 24 vias
v3: diameter 25, hole 15, TopLayer to BottomLayer, 13 vias

## Nets (pads, with @x,y where several pads share a name; then routed paths per layer and width w, separated by ;. In a path a pad name is that pad's centre, name@x,y a point inside that pad or via, vN(x,y) a via of type N, cw(c..) or ccw(c..) an arc to the next point about the centre after c; other vN are vias at no path point)
1C2: 
1C3: 
1C6: 
1C7: 
1C8: 
1C9: 
1C10: 
1C11: 
1C12: 
1C17: 
1C22: 
1C27: 
1C31: 
1C32: 
1C33: 
1C34: 
1C35: 
1C36: 
1C37: 
2-38: P17.3 RL24.3 | length 831.3
  BottomLayer w50: RL24.3@5982.76,10935.04 6051.71,10866.09 P17.3@6051.71,10550.41 ; P17.3@6017.77,10553.19 6051.71,10759.47 P17.3@6085.65,10553.19
2-39: P17.4 RL24.4 | length 972.7
  BottomLayer w50: RL24.4@5682.76,11035.04 5851.71,10866.09 P17.4@5851.71,10550.41 ; P17.4@5817.77,10553.19 5851.71,10759.47 P17.4@5885.65,10553.19
2-40: P17.1 RL23.3 | length 914.5
  BottomLayer w40: P17.1@6413.21,10557.02 6462.76,10730.37 ; P17.1@6451.71,10550.41 6462.76,10730.37 ; P17.1@6462.76,10561.47 RL23.3@6462.76,10935.04 ; P17.1@6490.72,10552.26 6462.76,10730.37